# KiCad board constellation.kicad_pcb
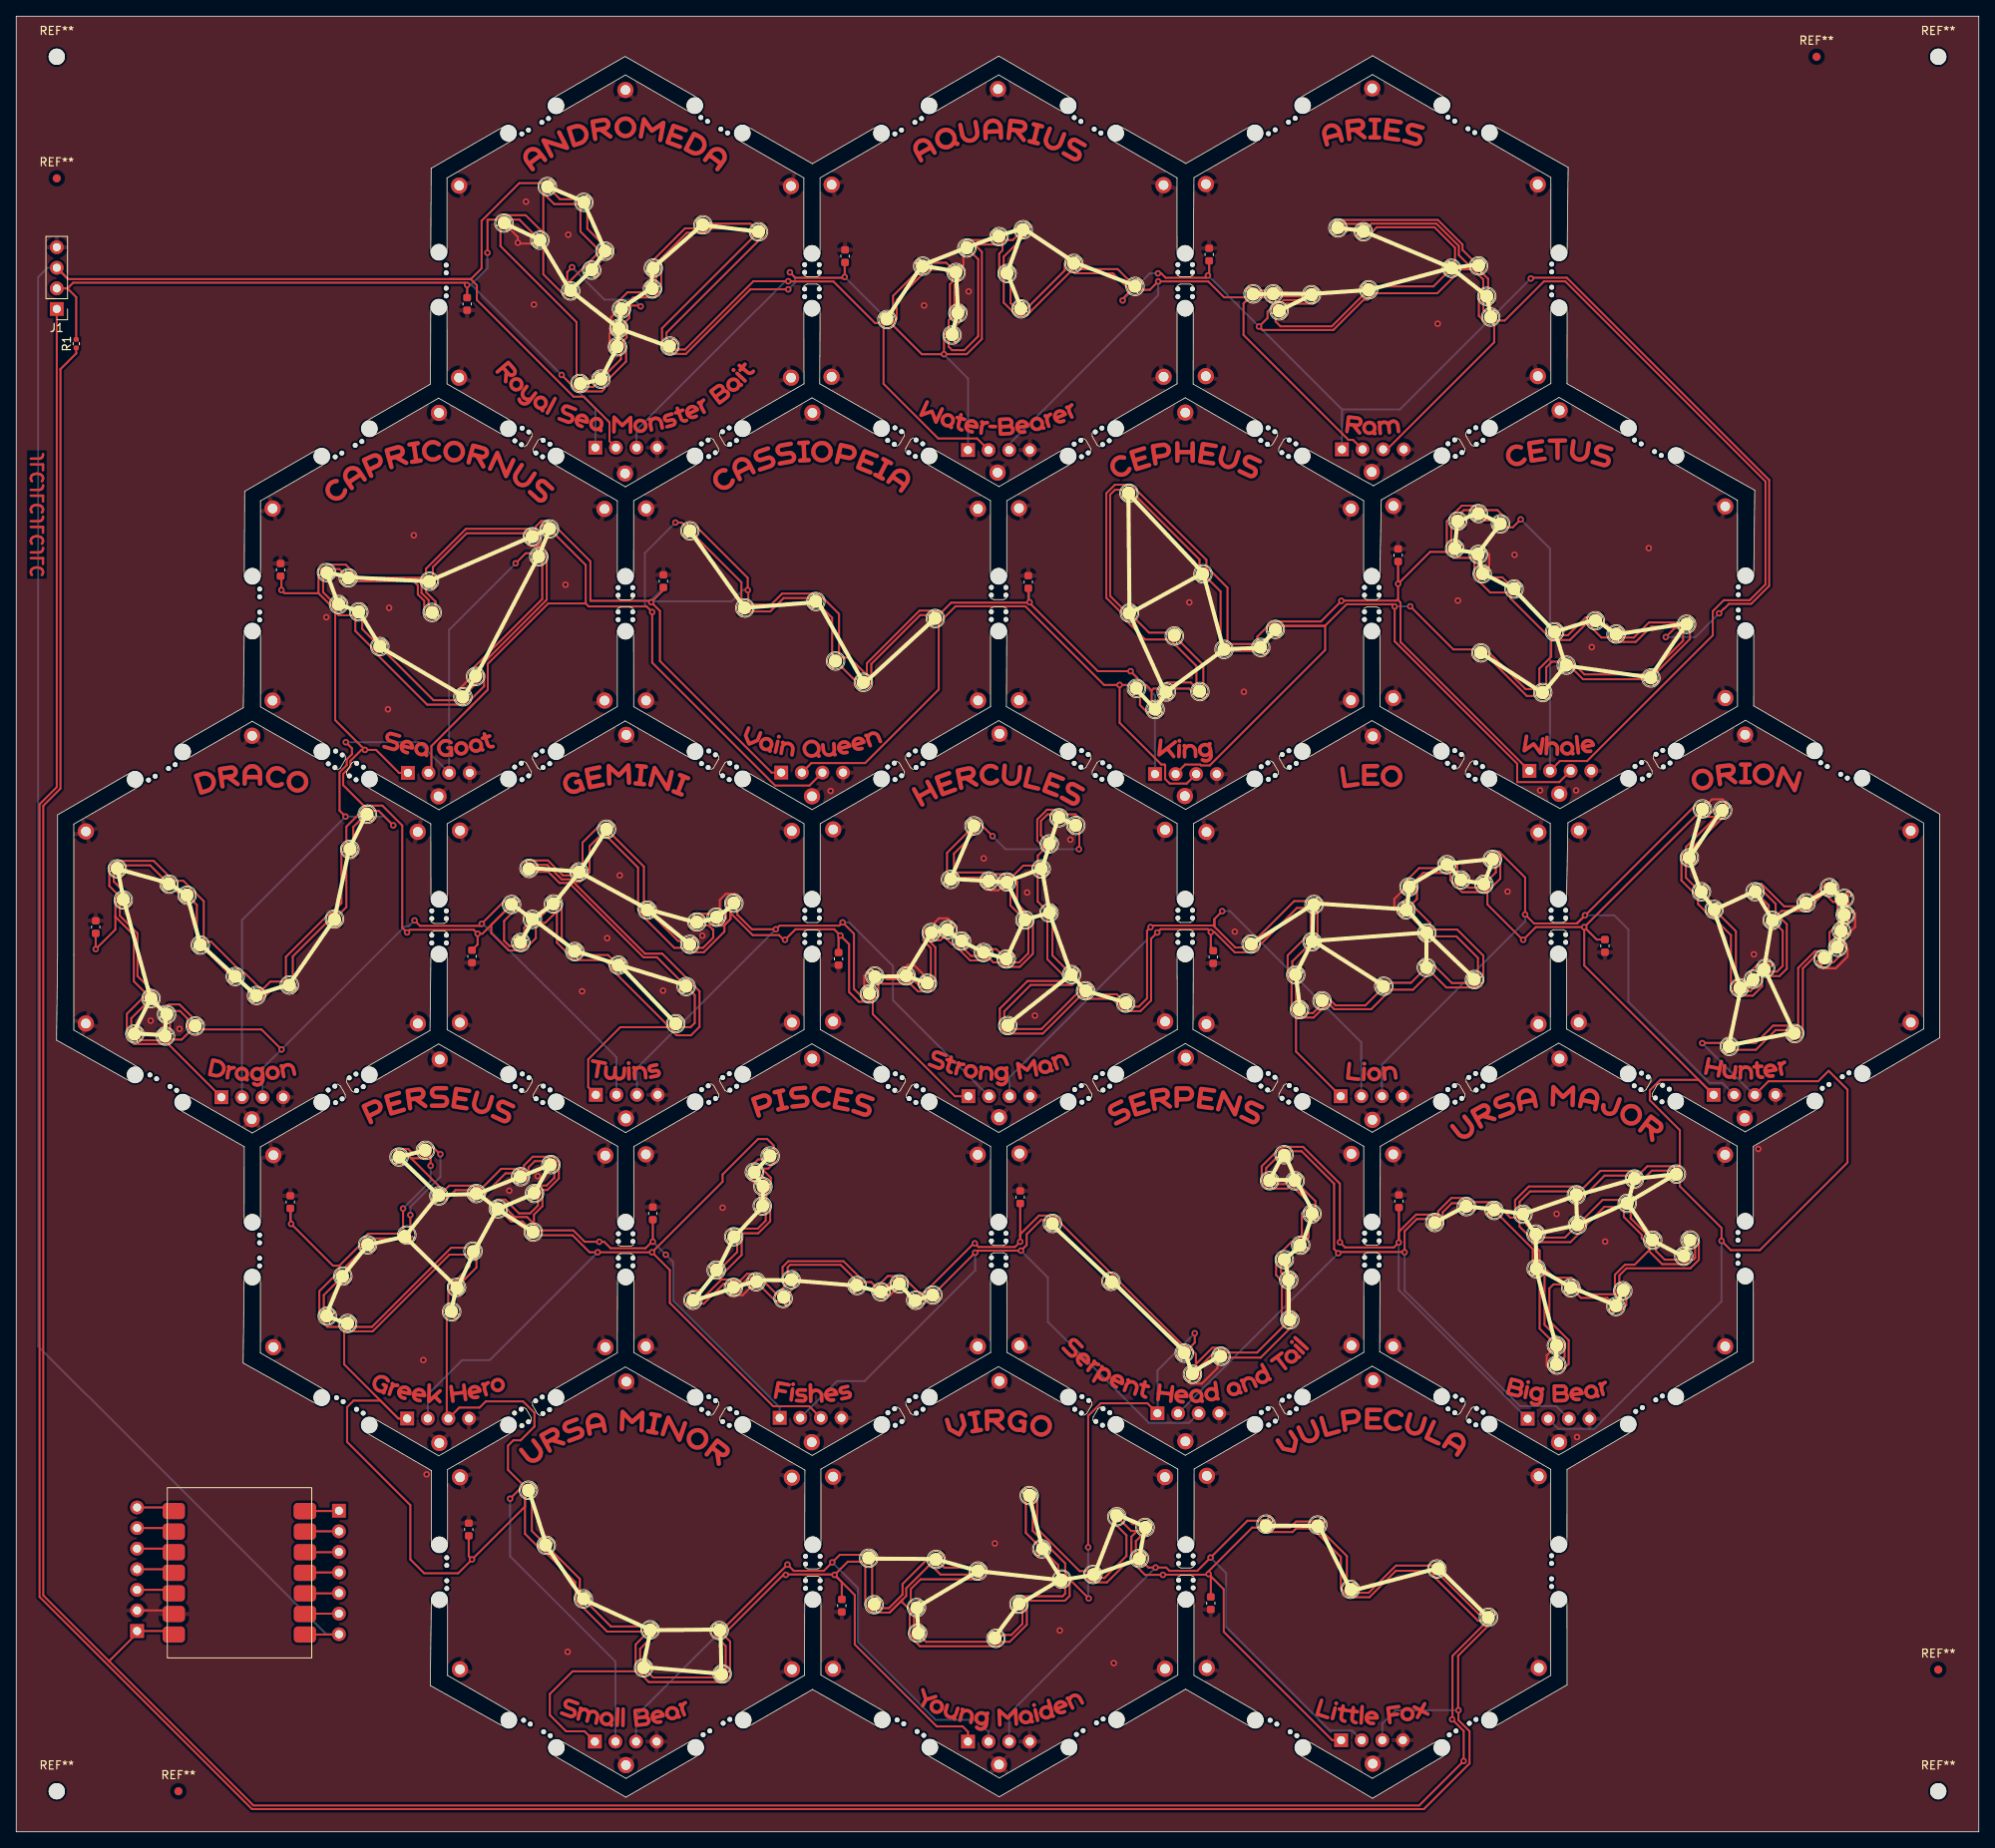
[diagram p0: board, top side]
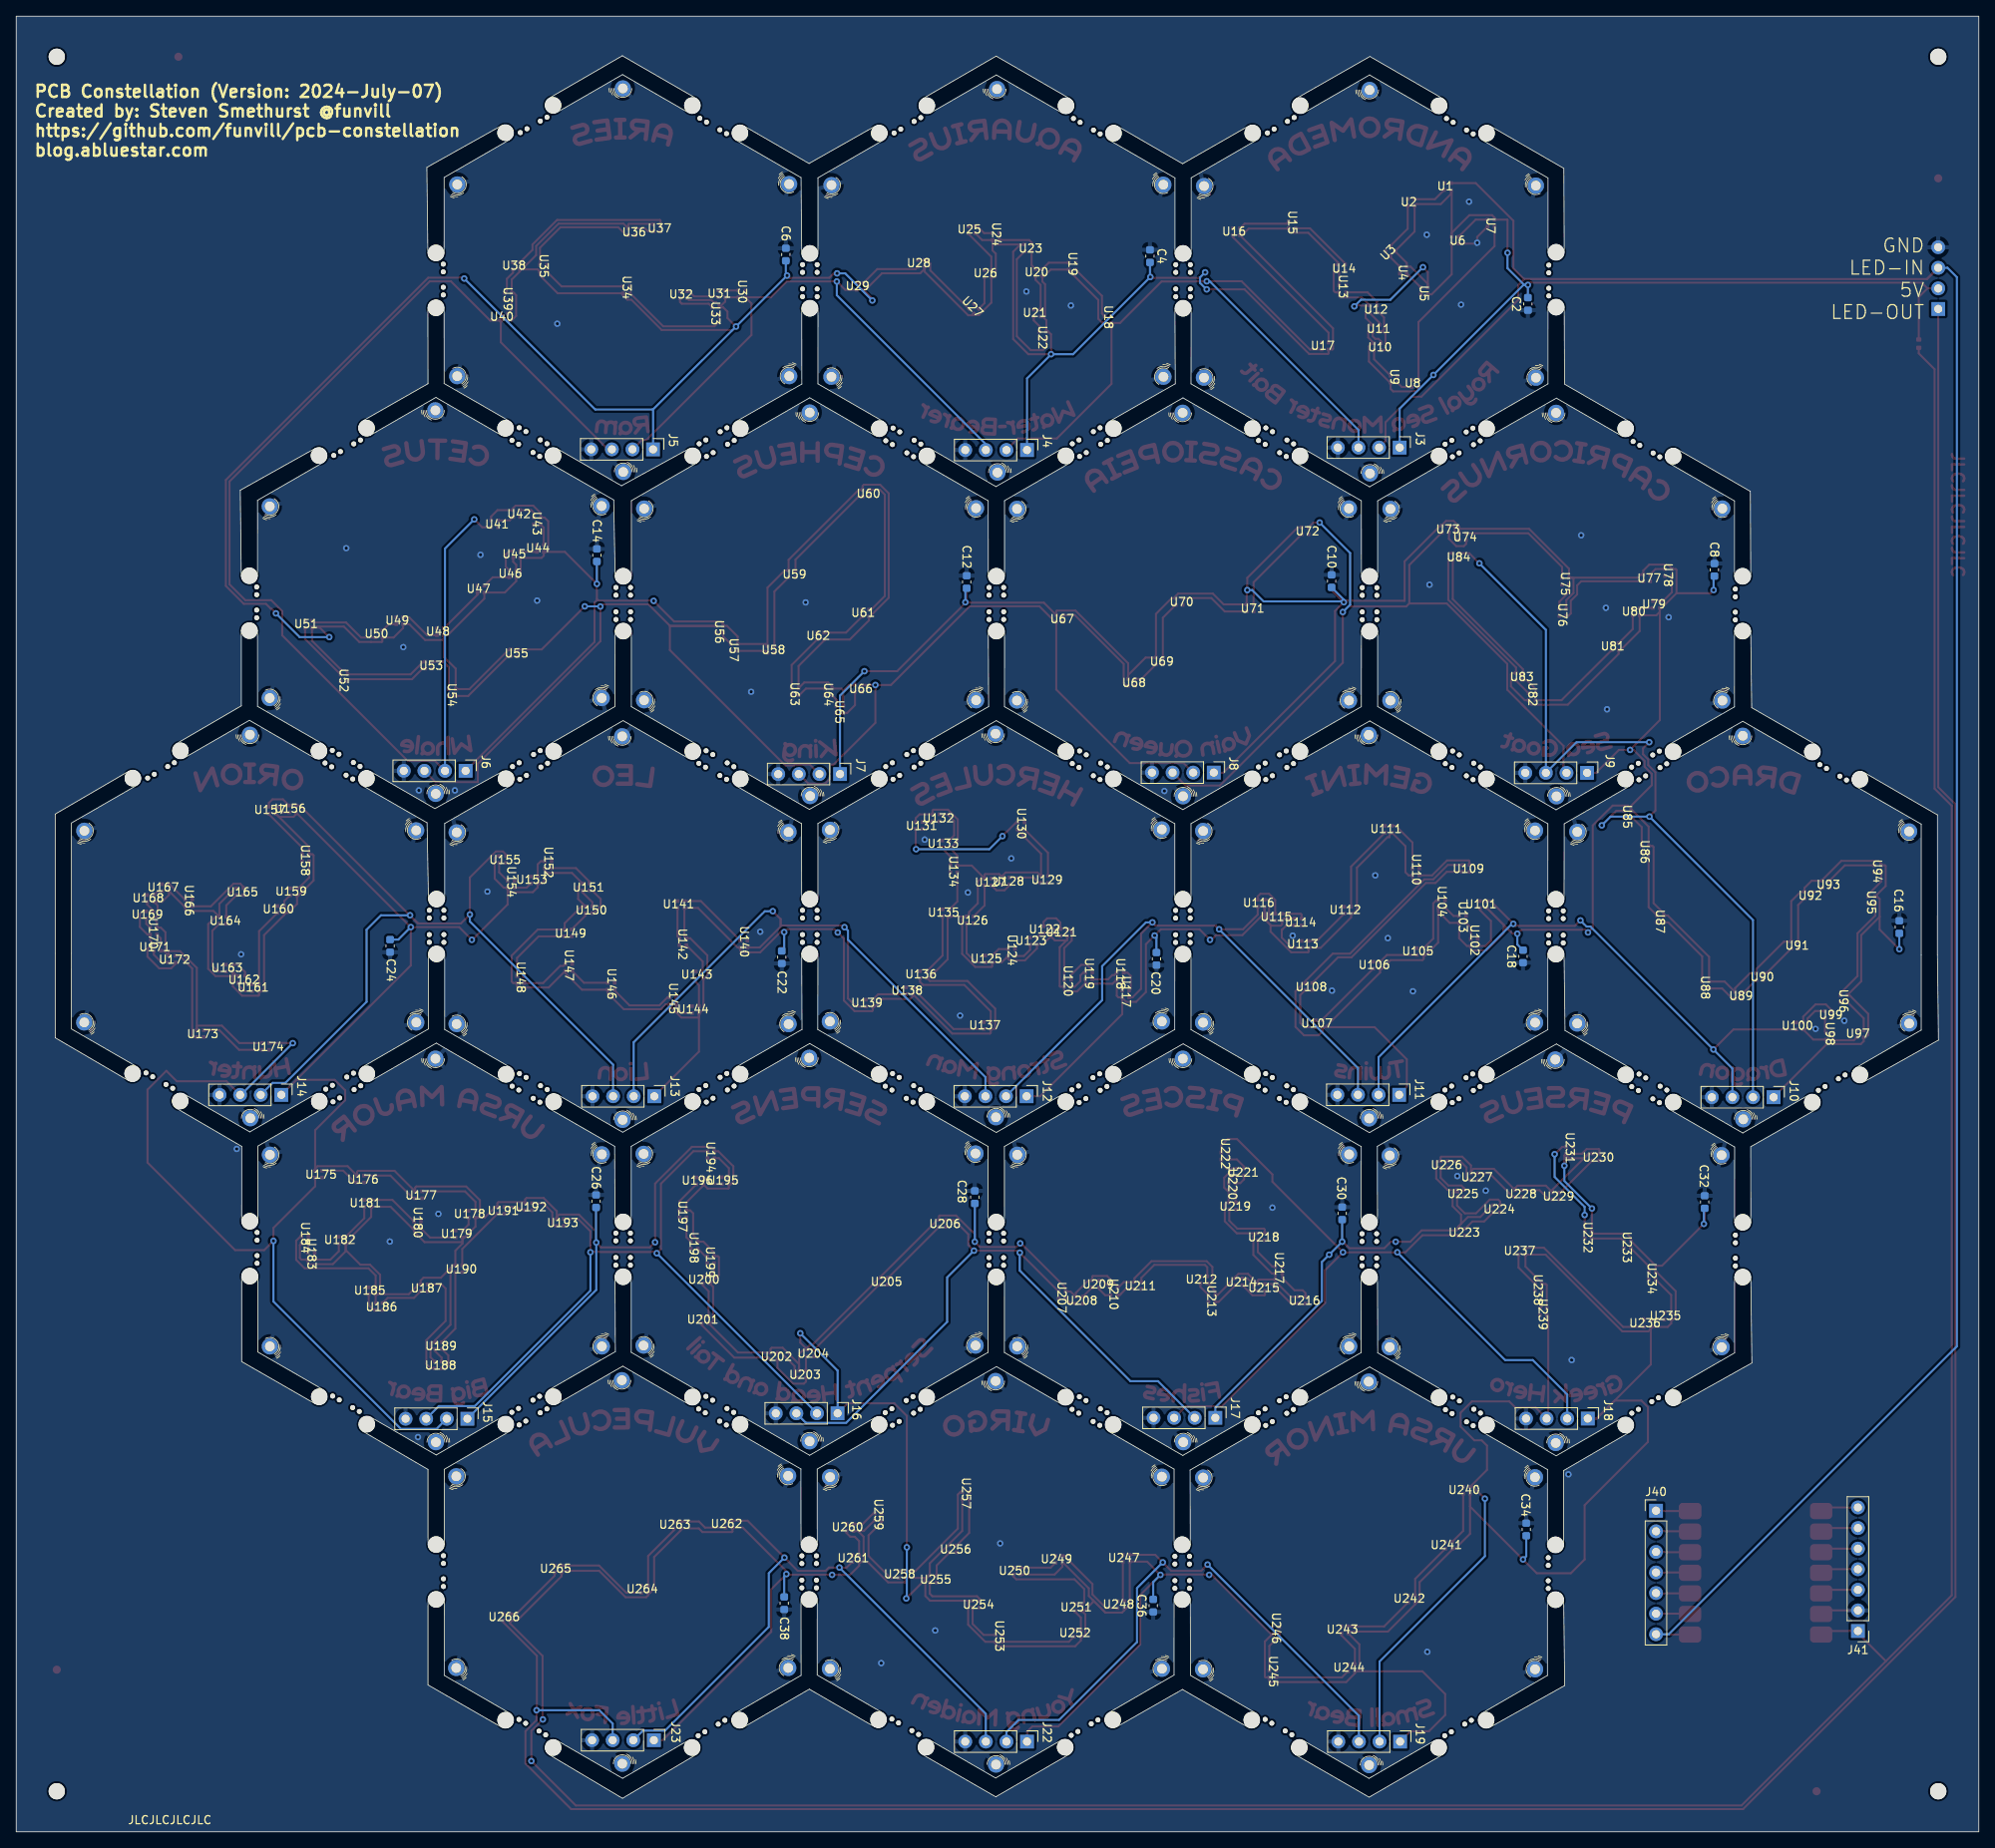
[diagram p1: board, bottom side, seen from below]

Outline 242 x 224 mm; copper layers: Top, Bottom. Coordinates in mm from the lower left corner of the outline.
Outline path: 14.15,92.53 4.97,97.67 5.1,108.2 5.1,125.46 14.15,130.71 ; 7.1,98.92 15.15,94.27 ; 15.15,128.97 7.1,124.32 7.1,108.2 7.1,98.92 ; 20.04,89.13 28.12,84.52 28.11,75.22 ; 21.04,132.37 29.1,137.01 37.18,132.41 ; 21.04,90.87 29.1,86.22 37.16,90.87 ; 37.16,52.7 27.98,57.84 28.11,68.42 ; 20.04,134.11 28,138.69 28.12,148.12 ; 28.12,154.92 28.17,165.38 37.17,170.58 ; 30.11,59.08 38.16,54.44 ; 30.11,75.22 30.11,84.49 38.16,89.14 ; 30.11,59.08 30.11,68.42 ; 30.12,154.92 30.12,164.2 38.17,168.84 ; 30.12,138.79 38.18,134.14 ; 30.13,138.79 30.12,148.12 ; 43.05,49.3 51.21,44.55 51.19,35.42 ; 43.06,173.98 51.08,178.61 51.12,188.09 ; 43.07,129.01 51.12,124.36 51.14,115.07 ; 44.05,51.04 52.11,46.38 60.18,51.05 ; 44.05,92.54 52.08,97.2 60.2,92.58 ; 44.06,172.24 52.08,176.88 60.18,172.26 ; 44.07,130.74 52.12,126.09 60.2,130.75 ; 43.05,94.27 51.02,98.86 51.14,108.27 ; 60.23,12.91 51.06,18.04 51.19,28.62 ; 51.12,194.89 51.17,205.23 60.18,210.43 ; 53.12,178.64 61.18,173.99 ; 61.18,208.69 53.12,204.05 53.12,194.89 ; 53.12,178.64 53.12,188.09 ; 53.14,98.96 61.2,94.31 ; 61.2,129.02 53.14,124.37 53.14,115.07 ; 53.14,98.96 53.14,108.27 ; 53.19,19.29 61.23,14.65 ; 61.18,49.32 53.19,44.7 53.19,35.42 ; 53.19,19.29 53.19,28.62 ; 66.07,213.83 75.07,219.03 84.16,213.85 ; 66.09,89.18 74.16,84.57 74.15,75.23 ; 66.12,9.51 75.17,4.27 84.27,9.52 ; 67.07,170.59 75.12,165.94 83.19,170.6 ; 67.07,212.09 75.12,216.75 83.16,212.11 ; 67.07,52.72 75.11,57.35 83.21,52.75 ; 67.08,132.42 75.09,137.05 83.19,132.43 ; 67.09,90.91 75.14,86.26 83.21,90.92 ; 67.12,11.25 75.19,6.59 83.27,11.26 ; 66.07,54.45 74.12,59.09 74.15,68.43 ; 74.12,154.9 74.12,164.2 66.07,168.85 ; 74.12,148.1 74.12,138.83 66.09,134.15 ; 76.14,138.81 84.19,134.16 ; 76.12,154.9 76.14,164.22 84.19,168.86 ; 76.14,138.81 76.12,148.1 ; 76.15,59.13 84.21,54.48 ; 76.15,75.23 76.15,84.54 84.21,89.19 ; 76.15,59.13 76.15,68.43 ; 89.09,49.35 97.25,44.62 97.23,35.44 ; 90.08,130.76 98.14,126.11 106.19,130.76 ; 90.09,51.08 98.15,46.43 106.22,51.09 ; 90.09,92.59 98.1,97.22 106.2,92.6 ; 90.16,12.92 98.19,17.56 106.28,12.95 ; 97.12,204.05 97.12,194.75 ; 97.12,187.95 97.14,178.65 89.07,174 ; 97.12,204.05 89.05,208.71 ; 97.14,115.07 97.14,124.38 89.08,129.03 ; 97.14,108.27 97.14,98.97 89.09,94.32 ; 89.16,14.66 97.2,19.3 97.23,28.64 ; 90.07,172.26 98.13,176.91 106.19,172.28 ; 90.05,210.45 98.17,205.8 106.18,210.43 ; 107.19,174.01 99.08,178.65 99.12,187.95 ; 99.12,194.75 99.12,204.05 107.18,208.69 ; 99.14,115.07 99.14,124.38 107.19,129.03 ; 99.14,108.27 99.14,98.98 107.2,94.33 ; 99.23,19.34 107.28,14.69 ; 107.22,49.36 99.23,44.74 99.23,35.44 ; 99.23,19.34 99.23,28.64 ; 112.17,9.55 121.21,4.31 130.3,9.56 ; 113.07,212.09 121.14,216.76 129.2,212.1 ; 113.08,132.43 121.15,137.09 129.2,132.44 ; 113.09,90.93 121.15,86.28 129.21,90.94 ; 113.11,52.76 121.12,57.39 129.22,52.77 ; 113.17,11.29 121.23,6.64 129.3,11.3 ; 120.14,164.23 120.14,154.92 ; 120.14,148.12 120.14,138.82 112.08,134.16 ; 120.14,164.22 112.08,168.88 ; 120.15,75.24 120.15,84.55 112.09,89.2 ; 120.15,68.44 120.15,59.14 112.11,54.49 ; 121.16,219.08 112.07,213.83 ; 113.08,170.61 121.19,165.97 129.19,170.6 ; 122.14,148.12 122.1,138.82 130.2,134.18 ; 122.14,154.92 122.15,164.22 130.19,168.86 ; 122.16,59.15 130.22,54.5 ; 122.15,75.24 122.16,84.56 130.21,89.2 ; 122.17,59.15 122.15,68.44 ; 130.2,213.84 121.16,219.08 ; 135.08,174 143.14,178.65 143.14,187.95 ; 136.08,172.26 144.15,176.92 152.2,172.27 ; 136.11,51.1 144.16,46.45 152.23,51.11 ; 136.19,12.96 144.2,17.6 152.28,12.92 ; 143.14,204.06 143.14,194.75 ; 143.14,204.06 135.09,208.7 ; 143.14,124.39 143.15,115.09 ; 143.15,108.29 143.17,98.99 135.1,94.34 ; 143.15,124.39 135.09,129.04 ; 143.23,35.45 143.23,44.75 135.11,49.37 ; 143.23,28.65 143.23,19.34 135.19,14.7 ; 136.1,92.6 144.15,97.25 152.22,92.62 ; 136.09,130.78 144.19,126.14 152.2,130.76 ; 136.09,210.44 144.23,205.83 152.25,210.46 ; 153.22,94.35 145.1,98.99 145.15,108.29 ; 145.14,187.95 145.13,178.62 153.2,174.01 ; 145.15,115.09 145.16,124.39 153.2,129.03 ; 145.23,28.65 145.22,19.3 153.28,14.65 ; 145.14,194.75 145.23,204.09 153.25,208.72 ; 145.23,35.45 145.24,44.76 153.23,49.38 ; 159.09,132.43 167.17,137.1 175.22,132.45 ; 159.12,52.78 167.21,57.45 175.26,52.81 ; 159.14,212.12 167.24,216.8 175.29,212.15 ; 166.15,164.22 166.15,154.92 ; 166.15,148.12 166.15,138.82 158.09,134.16 ; 166.15,164.22 158.09,168.87 ; 166.16,84.57 166.16,75.26 ; 166.16,68.46 166.17,59.16 158.12,54.51 ; 166.17,84.57 158.11,89.22 ; 159.11,90.95 167.21,86.31 175.22,90.93 ; 167.22,6.59 175.28,11.25 ; 167.23,6.6 159.17,11.25 ; 176.28,9.51 167.24,4.13 158.17,9.51 ; 158.14,213.86 167.25,219.12 176.29,213.89 ; 159.09,170.61 167.36,166.07 175.29,170.64 ; 168.15,148.12 168.17,138.83 176.22,134.18 ; 168.16,68.46 168.12,59.24 176.26,54.54 ; 168.16,75.26 168.21,84.58 176.22,89.2 ; 168.15,154.92 168.32,164.32 176.29,168.91 ; 181.17,14.65 189.22,19.3 189.22,28.66 ; 181.18,174.04 189.24,178.69 189.24,188.01 ; 182.11,92.6 190.19,97.31 198.25,92.65 ; 182.17,12.91 191.22,18.12 191.22,28.66 ; 182.18,172.31 190.25,176.97 198.29,172.32 ; 189.16,124.4 189.17,115.09 ; 189.17,108.29 189.17,98.99 181.11,94.33 ; 189.17,124.4 181.11,129.05 ; 181.15,49.41 189.22,44.72 189.22,35.46 ; 189.23,204.1 189.24,194.81 ; 189.24,204.1 181.18,208.75 ; 190.2,46.49 198.26,51.15 ; 190.21,46.49 182.15,51.14 ; 182.11,130.78 190.37,126.24 198.3,130.81 ; 199.25,94.38 191.17,99.06 191.17,108.29 ; 191.22,35.46 191.22,44.7 ; 191.22,44.71 199.26,49.41 ; 191.24,188.01 191.22,178.66 199.29,174.06 ; 191.17,115.09 191.34,124.49 199.3,129.08 ; 191.24,194.81 191.36,205.34 182.18,210.49 ; 204.14,89.25 212.2,84.6 212.2,75.34 ; 204.15,54.55 212.2,59.19 212.2,68.54 ; 205.15,52.81 214.2,58.02 214.2,68.54 ; 205.19,132.48 213.24,137.13 221.24,132.51 ; 212.24,164.27 212.25,154.98 ; 204.19,134.21 212.25,138.86 212.25,148.18 ; 212.25,164.27 204.18,168.92 ; 213.19,86.35 221.27,91.02 ; 213.2,86.35 205.14,90.98 ; 222.27,89.28 214.2,84.57 214.2,75.34 ; 222.24,134.25 214.24,138.91 214.25,148.18 ; 214.25,154.98 214.37,165.51 205.18,170.66 ; 227.13,129.11 235.19,124.46 235.19,108.39 235.19,99.05 227.16,94.42 ; 228.13,130.85 237.19,125.56 237.19,108.39 237.19,97.97 228.16,92.68 ; 0,224 242,224 242,0 0,0 0,224
Stack: Top 0.035mm / dielectric 1.51mm FR4 er 4.5 / Bottom 0.035mm

## Placement (name value [footprint] x y rotation side)
C1  10V 10uF  [C_0603_1608Metric]  55.6 188.5 90 top
C2  10V 10uF  [C_0603_1608Metric]  55.6 188.5 90 bottom  (not fitted)
C3  10V 10uF  [C_0603_1608Metric]  102.2 194.4 270 top
C4  10V 10uF  [C_0603_1608Metric]  102.2 194.4 270 bottom  (not fitted)
C5  10V 10uF  [C_0603_1608Metric]  147.1 194.6 270 top
C6  10V 10uF  [C_0603_1608Metric]  147.1 194.6 270 bottom  (not fitted)
C7  10V 10uF  [C_0603_1608Metric]  32.6 155.7 270 top
C8  10V 10uF  [C_0603_1608Metric]  32.6 155.7 270 bottom  (not fitted)
C9  10V 10uF  [C_0603_1608Metric]  79.8 154.3 270 top
C10  10V 10uF  [C_0603_1608Metric]  79.8 154.3 270 bottom  (not fitted)
C11  10V 10uF  [C_0603_1608Metric]  124.8 154.2 270 top
C12  10V 10uF  [C_0603_1608Metric]  124.8 154.2 270 bottom  (not fitted)
C13  10V 10uF  [C_0603_1608Metric]  170.4 157.5 270 top
C14  10V 10uF  [C_0603_1608Metric]  170.4 157.5 270 bottom  (not fitted)
C15  10V 10uF  [C_0603_1608Metric]  9.8 111.62 270 top
C16  10V 10uF  [C_0603_1608Metric]  9.8 111.62 270 bottom  (not fitted)
C17  10V 10uF  [C_0603_1608Metric]  56.2 108 90 top
C18  10V 10uF  [C_0603_1608Metric]  56.2 108 90 bottom  (not fitted)
C19  10V 10uF  [C_0603_1608Metric]  101.4 107.7 90 top
C20  10V 10uF  [C_0603_1608Metric]  101.4 107.7 90 bottom  (not fitted)
C21  10V 10uF  [C_0603_1608Metric]  147.6 107.92 90 top
C22  10V 10uF  [C_0603_1608Metric]  147.6 107.9 90 bottom  (not fitted)
C23  10V 10uF  [C_0603_1608Metric]  195.9 109.3 90 top
C24  10V 10uF  [C_0603_1608Metric]  195.9 109.3 90 bottom  (not fitted)
C25  10V 10uF  [C_0603_1608Metric]  170.5 77.8 270 top
C26  10V 10uF  [C_0603_1608Metric]  170.5 77.8 270 bottom  (not fitted)
C27  10V 10uF  [C_0603_1608Metric]  123.8 78.3 270 top
C28  10V 10uF  [C_0603_1608Metric]  123.8 78.3 270 bottom  (not fitted)
C29  10V 10uF  [C_0603_1608Metric]  78.5 76.3 270 top
C30  10V 10uF  [C_0603_1608Metric]  78.5 76.3 270 bottom  (not fitted)
C31  10V 10uF  [C_0603_1608Metric]  33.8 77.7 270 top
C32  10V 10uF  [C_0603_1608Metric]  33.8 77.7 270 bottom  (not fitted)
C33  10V 10uF  [C_0603_1608Metric]  55.8 37.3 270 top
C34  10V 10uF  [C_0603_1608Metric]  55.8 37.3 270 bottom  (not fitted)
C35  10V 10uF  [C_0603_1608Metric]  101.8 27.9 90 top
C36  10V 10uF  [C_0603_1608Metric]  101.8 27.9 90 bottom  (not fitted)
C37  10V 10uF  [C_0603_1608Metric]  147.3 28.2 90 top
C38  10V 10uF  [C_0603_1608Metric]  147.3 28.2 90 bottom  (not fitted)
J1  Conn_01x04  [PinHeader_1x04_P2.54mm_Vertical]  5 187.88 180 top  (not fitted)
J2  ~  [constellation-edge-connector_HOLES]  75.12 190.9 0 top
J3  Conn_01x04  [PinHeader_1x04_P2.54mm_Vertical]  71.41 170.78 270 bottom  (not fitted)
J4  Conn_01x04  [PinHeader_1x04_P2.54mm_Vertical]  117.36 170.48 270 bottom  (not fitted)
J5  Conn_01x04  [PinHeader_1x04_P2.54mm_Vertical]  163.47 170.56 270 bottom  (not fitted)
J6  Conn_01x04  [PinHeader_1x04_P2.54mm_Vertical]  186.59 130.9 270 bottom  (not fitted)
J7  Conn_01x04  [PinHeader_1x04_P2.54mm_Vertical]  140.42 130.5 270 bottom  (not fitted)
J8  Conn_01x04  [PinHeader_1x04_P2.54mm_Vertical]  94.33 130.68 270 bottom  (not fitted)
J9  Conn_01x04  [PinHeader_1x04_P2.54mm_Vertical]  48.3 130.65 270 bottom  (not fitted)
J10  Conn_01x04  [PinHeader_1x04_P2.54mm_Vertical]  25.3 90.63 270 bottom  (not fitted)
J11  Conn_01x04  [PinHeader_1x04_P2.54mm_Vertical]  71.47 90.93 270 bottom  (not fitted)
J12  Conn_01x04  [PinHeader_1x04_P2.54mm_Vertical]  117.41 90.75 270 bottom  (not fitted)
J13  Conn_01x04  [PinHeader_1x04_P2.54mm_Vertical]  163.32 90.75 270 bottom  (not fitted)
J14  Conn_01x04  [PinHeader_1x04_P2.54mm_Vertical]  209.31 90.92 270 bottom  (not fitted)
J15  Conn_01x04  [PinHeader_1x04_P2.54mm_Vertical]  186.37 50.96 270 bottom  (not fitted)
J16  Conn_01x04  [PinHeader_1x04_P2.54mm_Vertical]  140.72 51.63 270 bottom  (not fitted)
J17  Conn_01x04  [PinHeader_1x04_P2.54mm_Vertical]  94.14 51.07 270 bottom  (not fitted)
J18  Conn_01x04  [PinHeader_1x04_P2.54mm_Vertical]  48.21 50.99 270 bottom  (not fitted)
J19  Conn_01x04  [PinHeader_1x04_P2.54mm_Vertical]  71.35 11.13 270 bottom  (not fitted)
J20  ~  [constellation-edge-connector_HOLES]  121.06 191.01 0 top
J21  ~  [constellation-edge-connector_HOLES]  167.2 191.09 0 top
J22  Conn_01x04  [PinHeader_1x04_P2.54mm_Vertical]  117.36 11.13 270 bottom  (not fitted)
J23  Conn_01x04  [PinHeader_1x04_P2.54mm_Vertical]  163.37 11.3 270 bottom  (not fitted)
J24  ~  [constellation-edge-connector_HOLES]  190.32 151.38 0 top
J25  ~  [constellation-edge-connector_HOLES]  144.16 151.1 0 top
J26  ~  [constellation-edge-connector_HOLES]  98.18 151.07 0 top
J27  ~  [constellation-edge-connector_HOLES]  52.13 151.06 0 top
J28  ~  [constellation-edge-connector_HOLES]  29.1 111.22 0 top
J29  ~  [constellation-edge-connector_HOLES]  75.23 111.33 0 top
J30  ~  [constellation-edge-connector_HOLES]  121.25 111.47 0 top
J31  ~  [constellation-edge-connector_HOLES]  167.28 111.15 0 top
J32  ~  [constellation-edge-connector_HOLES]  213.19 111.35 0 top
J33  ~  [constellation-edge-connector_HOLES]  190.3 71.38 0 top
J34  ~  [constellation-edge-connector_HOLES]  144.22 71.49 0 top
J35  ~  [constellation-edge-connector_HOLES]  98.15 71.38 0 top
J36  ~  [constellation-edge-connector_HOLES]  52.22 71.28 0 top
J37  ~  [constellation-edge-connector_HOLES]  75.23 31.54 0 top
J38  ~  [constellation-edge-connector_HOLES]  121.23 31.61 0 top
J39  ~  [constellation-edge-connector_HOLES]  167.32 31.72 0 top
J40  Conn_01x07  [PinHeader_1x07_P2.54mm_Vertical]  39.8 39.61 180 bottom  (not fitted)
J41  Conn_01x07  [PinHeader_1x07_P2.54mm_Vertical]  14.9 24.78 0 bottom  (not fitted)
mouse-bite-2mm-slot  VAL**  [mouse-bite-2mm-slot_edge]  40.53 171.36 30 top
mouse-bite-2mm-slot#2  VAL**  [mouse-bite-2mm-slot_edge]  29.11 71.72 90 top
mouse-bite-2mm-slot#3  VAL**  [mouse-bite-2mm-slot_1]  121.15 71.94 270 top
mouse-bite-2mm-slot#4  VAL**  [mouse-bite-2mm-slot_1]  86.72 171.48 210 top
mouse-bite-2mm-slot#5  VAL**  [mouse-bite-2mm-slot_1]  178.75 91.82 210 top
mouse-bite-2mm-slot#6  VAL**  [mouse-bite-2mm-slot_1]  132.74 91.82 210 top
mouse-bite-2mm-slot#7  VAL**  [mouse-bite-2mm-slot_1]  132.75 51.88 150 top
mouse-bite-2mm-slot#8  VAL**  [mouse-bite-2mm-slot_edge]  190.24 191.51 270 top
mouse-bite-2mm-slot#9  VAL**  [mouse-bite-2mm-slot_1]  144.15 111.79 270 top
mouse-bite-2mm-slot#10  VAL**  [mouse-bite-2mm-slot_1]  178.79 51.93 150 top
mouse-bite-2mm-slot#11  VAL**  [mouse-bite-2mm-slot_1]  63.54 51.83 30 top
mouse-bite-2mm-slot#12  VAL**  [mouse-bite-2mm-slot_1]  178.58 131.66 330 top
mouse-bite-2mm-slot#13  VAL**  [mouse-bite-2mm-slot_1]  86.74 51.86 150 top
mouse-bite-2mm-slot#14  VAL**  [mouse-bite-2mm-slot_edge]  155.81 12.03 150 top
mouse-bite-2mm-slot#15  VAL**  [mouse-bite-2mm-slot_1]  190.17 111.79 270 top
mouse-bite-2mm-slot#16  VAL**  [mouse-bite-2mm-slot_1]  121.14 151.62 270 top
mouse-bite-2mm-slot#17  VAL**  [mouse-bite-2mm-slot_edge]  201.65 171.54 330 top
mouse-bite-2mm-slot#18  VAL**  [mouse-bite-2mm-slot_edge]  86.52 211.33 330 top
mouse-bite-2mm-slot#19  VAL**  [mouse-bite-2mm-slot_1]  98.14 111.77 270 top
mouse-bite-2mm-slot#20  VAL**  [mouse-bite-2mm-slot_1]  86.73 131.54 150 top
mouse-bite-2mm-slot#21  VAL**  [mouse-bite-2mm-slot_1]  63.73 91.7 150 top
mouse-bite-2mm-slot#22  VAL**  [mouse-bite-2mm-slot_edge]  224.6 131.73 330 top
mouse-bite-2mm-slot#23  VAL**  [mouse-bite-2mm-slot_1]  155.56 171.49 330 top
mouse-bite-2mm-slot#24  VAL**  [mouse-bite-2mm-slot_1]  178.65 171.42 30 top
mouse-bite-2mm-slot#25  VAL**  [mouse-bite-2mm-slot_edge]  29.12 151.42 90 top
mouse-bite-2mm-slot#26  VAL**  [mouse-bite-2mm-slot_1]  109.55 171.49 330 top
mouse-bite-2mm-slot#27  VAL**  [mouse-bite-2mm-slot_1]  132.55 171.38 30 top
mouse-bite-2mm-slot#28  VAL**  [mouse-bite-2mm-slot_edge]  52.19 31.92 90 top
mouse-bite-2mm-slot#29  VAL**  [mouse-bite-2mm-slot_edge]  190.22 32.16 270 top
mouse-bite-2mm-slot#30  VAL**  [mouse-bite-2mm-slot_edge]  86.8 12.14 210 top
mouse-bite-2mm-slot#31  VAL**  [mouse-bite-2mm-slot_1]  167.16 71.96 270 top
mouse-bite-2mm-slot#32  VAL**  [mouse-bite-2mm-slot_1]  155.73 131.65 210 top
mouse-bite-2mm-slot#33  VAL**  [mouse-bite-2mm-slot_edge]  40.69 51.82 150 top
mouse-bite-2mm-slot#34  VAL**  [mouse-bite-2mm-slot_1]  201.61 91.87 330 top
mouse-bite-2mm-slot#35  VAL**  [mouse-bite-2mm-slot_1]  63.71 171.37 150 top
mouse-bite-2mm-slot#36  VAL**  [mouse-bite-2mm-slot_edge]  201.79 52.03 210 top
mouse-bite-2mm-slot#37  VAL**  [mouse-bite-2mm-slot_1]  40.71 131.52 150 top
mouse-bite-2mm-slot#38  VAL**  [mouse-bite-2mm-slot_1]  40.7 91.76 210 top
mouse-bite-2mm-slot#39  VAL**  [mouse-bite-2mm-slot_1]  109.73 91.71 150 top
mouse-bite-2mm-slot#40  VAL**  [mouse-bite-2mm-slot_edge]  213.2 72.04 270 top
mouse-bite-2mm-slot#41  VAL**  [mouse-bite-2mm-slot_edge]  109.81 12.07 150 top
mouse-bite-2mm-slot#42  VAL**  [mouse-bite-2mm-slot_1]  75.15 71.73 90 top
mouse-bite-2mm-slot#43  VAL**  [mouse-bite-2mm-slot_edge]  155.61 211.24 30 top
mouse-bite-2mm-slot#44  VAL**  [mouse-bite-2mm-slot_1]  167.15 151.62 270 top
mouse-bite-2mm-slot#45  VAL**  [mouse-bite-2mm-slot_edge]  63.54 211.21 30 top
mouse-bite-2mm-slot#46  VAL**  [mouse-bite-2mm-slot_1]  75.12 151.6 270 top
mouse-bite-2mm-slot#47  VAL**  [mouse-bite-2mm-slot_edge]  52.12 191.39 90 top
mouse-bite-2mm-slot#48  VAL**  [mouse-bite-2mm-slot_edge]  17.68 91.65 150 top
mouse-bite-2mm-slot#49  VAL**  [mouse-bite-2mm-slot_1]  144.23 32.15 270 top
mouse-bite-2mm-slot#50  VAL**  [mouse-bite-2mm-slot_edge]  224.8 91.9 210 top
mouse-bite-2mm-slot#51  VAL**  [mouse-bite-2mm-slot_1]  52.14 111.57 90 top
mouse-bite-2mm-slot#52  VAL**  [mouse-bite-2mm-slot_1]  144.14 191.45 270 top
mouse-bite-2mm-slot#53  VAL**  [mouse-bite-2mm-slot_1]  132.56 131.66 330 top
mouse-bite-2mm-slot#54  VAL**  [mouse-bite-2mm-slot_1]  86.74 91.81 210 top
mouse-bite-2mm-slot#55  VAL**  [mouse-bite-2mm-slot_1]  63.55 131.54 30 top
mouse-bite-2mm-slot#56  VAL**  [mouse-bite-2mm-slot_edge]  109.54 211.21 30 top
mouse-bite-2mm-slot#57  VAL**  [mouse-bite-2mm-slot_edge]  178.81 12.13 210 top
mouse-bite-2mm-slot#58  VAL**  [mouse-bite-2mm-slot_1]  155.58 91.83 330 top
mouse-bite-2mm-slot#59  VAL**  [mouse-bite-2mm-slot_1]  98.12 191.45 270 top
mouse-bite-2mm-slot#60  VAL**  [mouse-bite-2mm-slot_1]  201.83 131.69 210 top
mouse-bite-2mm-slot#61  VAL**  [mouse-bite-2mm-slot_edge]  63.76 12.03 150 top
mouse-bite-2mm-slot#62  VAL**  [mouse-bite-2mm-slot_1]  155.76 51.99 210 top
mouse-bite-2mm-slot#63  VAL**  [mouse-bite-2mm-slot_1]  109.58 51.88 30 top
mouse-bite-2mm-slot#64  VAL**  [mouse-bite-2mm-slot_edge]  213.25 151.68 270 top
mouse-bite-2mm-slot#65  VAL**  [mouse-bite-2mm-slot_edge]  178.65 211.37 330 top
mouse-bite-2mm-slot#66  VAL**  [mouse-bite-2mm-slot_1]  109.55 131.55 30 top
mouse-bite-2mm-slot#67  VAL**  [mouse-bite-2mm-slot_edge]  132.56 211.32 330 top
mouse-bite-2mm-slot#68  VAL**  [mouse-bite-2mm-slot_edge]  17.51 131.49 30 top
mouse-bite-2mm-slot#69  VAL**  [mouse-bite-2mm-slot_1]  98.23 31.94 90 top
mouse-bite-2mm-slot#70  VAL**  [mouse-bite-2mm-slot_edge]  132.83 12.18 210 top
NOREF  -  [Graphics]  142.69 220.77 0 top
NOREF#2  -  [Graphics]  73.56 180.96 0 top
NOREF#3  -  [Graphics]  50.56 61.35 0 top
NOREF#4  -  [Graphics]  27.51 181.03 0 top
NOREF#5  -  [Graphics]  165.69 181.2 0 top
NOREF#6  -  [Graphics]  4.52 141.04 0 top
NOREF#7  -  [Graphics]  142.58 141.04 0 top
NOREF#8  -  [Graphics]  188.75 141.24 0 top
NOREF#9  -  [Graphics]  96.59 220.7 0 top
NOREF#10  -  [Graphics]  119.63 101.29 0 top
NOREF#11  -  [Graphics]  7.7 235.88 0 top
NOREF#12  -  [Graphics]  50.53 141.12 0 top
NOREF#13  -  [Graphics]  119.59 180.88 0 top
NOREF#14  -  [Graphics]  96.69 61.45 0 top
NOREF#15  -  [Graphics]  50.53 220.94 0 top
NOREF#16  -  [Graphics]  -0.94 199.17 0 top
NOREF#17  -  [Graphics]  165.53 101.43 0 top
NOREF#18  -  [Graphics]  96.56 141.1 0 top
NOREF#19  -  [Graphics]  73.56 180.96 0 top
NOREF#20  -  [Graphics]  27.58 181.05 0 top
NOREF#21  -  [Graphics]  142.68 61.61 0 top
NOREF#22  -  [Graphics]  142.58 141.04 0 top
NOREF#23  -  [Graphics]  27.52 101.31 0 top
NOREF#24  -  [Graphics]  188.75 141.24 0 top
NOREF#25  -  [Graphics]  50.33 221.09 0 top
NOREF#26  -  [Graphics]  27.58 181.05 0 top
NOREF#27  -  [Graphics]  50.53 220.94 0 top
NOREF#28  -  [Graphics]  50.33 221.09 0 top
NOREF#29  -  [Graphics]  50.56 61.35 0 top
NOREF#30  -  [Graphics]  142.58 141.04 0 top
NOREF#31  -  [Graphics]  50.56 61.35 0 top
NOREF#32  -  [Graphics]  96.59 220.7 0 top
NOREF#33  -  [Graphics]  73.68 101.36 0 top
NOREF#34  -  [Graphics]  96.69 61.45 0 top
NOREF#35  -  [Graphics]  -0.94 199.17 0 top
NOREF#36  -  [Graphics]  50.53 220.94 0 top
NOREF#37  -  [Graphics]  119.63 101.29 0 top
NOREF#38  -  [Graphics]  142.69 220.77 0 top
NOREF#39  -  [Graphics]  188.75 141.24 0 top
NOREF#40  -  [Graphics]  119.59 180.88 0 top
NOREF#41  -  [Graphics]  142.58 141.04 0 top
NOREF#42  -  [Graphics]  73.68 101.36 0 top
NOREF#43  -  [Graphics]  27.51 181.03 0 top
NOREF#44  -  [Graphics]  188.75 141.24 0 top
NOREF#45  -  [Graphics]  165.65 101.36 0 top
NOREF#46  -  [Graphics]  165.53 101.43 0 top
NOREF#47  -  [Graphics]  142.68 61.61 0 top
NOREF#48  -  [Graphics]  142.69 220.77 0 top
NOREF#49  -  [Graphics]  50.56 61.35 0 top
NOREF#50  -  [Graphics]  7.7 235.88 0 top
NOREF#51  -  [Graphics]  4.52 141.04 0 top
NOREF#52  -  [Graphics]  27.52 101.31 0 top
NOREF#53  -  [Graphics]  50.53 141.12 0 top
NOREF#54  -  [Graphics]  165.53 101.43 0 top
NOREF#55  -  [Graphics]  27.51 181.03 0 top
NOREF#56  -  [Graphics]  73.56 180.96 0 top
NOREF#57  -  [Graphics]  96.59 220.7 0 top
NOREF#58  -  [Graphics]  165.69 181.2 0 top
NOREF#59  -  [Graphics]  4.52 141.04 0 top
NOREF#60  -  [Graphics]  96.69 61.45 0 top
NOREF#61  -  [Graphics]  96.59 220.7 0 top
NOREF#62  -  [Graphics]  4.52 141.04 0 top
NOREF#63  -  [Graphics]  119.63 101.29 0 top
NOREF#64  -  [Graphics]  119.62 101.38 0 top
NOREF#65  -  [Graphics]  27.52 101.31 0 top
NOREF#66  -  [Graphics]  50.53 141.12 0 top
NOREF#67  -  [Graphics]  165.69 181.2 0 top
NOREF#68  -  [Graphics]  165.69 181.2 0 top
NOREF#69  -  [Graphics]  50.53 220.94 0 top
NOREF#70  -  [Graphics]  27.51 181.03 0 top
NOREF#71  -  [Graphics]  165.53 101.43 0 top
NOREF#72  -  [Graphics]  50.53 141.12 0 top
NOREF#73  -  [Graphics]  96.56 141.1 0 top
NOREF#74  -  [unnamed]  35.6 39.57 90 top
NOREF#75  -  [Graphics]  142.68 61.61 0 top
NOREF#76  -  [Graphics]  73.56 180.96 0 top
NOREF#77  -  [Graphics]  -0.94 199.17 0 top
NOREF#78  -  [Graphics]  96.56 141.1 0 top
NOREF#79  -  [Graphics]  96.56 141.1 0 top
NOREF#80  -  [Graphics]  27.52 101.31 0 top
NOREF#81  -  [Graphics]  142.69 220.77 0 top
NOREF#82  -  [Graphics]  119.59 101.35 0 top
NOREF#83  -  [Graphics]  73.68 101.36 0 top
NOREF#84  -  [Graphics]  119.63 101.29 0 top
NOREF#85  -  [Graphics]  142.68 61.61 0 top
NOREF#86  -  [Graphics]  -0.94 199.17 0 top
NOREF#87  -  [Graphics]  7.7 235.88 0 top
NOREF#88  -  [Graphics]  73.59 101.29 0 top
NOREF#89  -  [Graphics]  119.59 180.88 0 top
NOREF#90  -  [Graphics]  119.59 180.88 0 top
NOREF#91  -  [Graphics]  96.59 220.7 0 bottom
NOREF#92  -  [Graphics]  7.7 235.88 0 bottom
NOREF#93  -  [Graphics]  142.68 61.61 0 bottom
NOREF#94  -  [Graphics]  4.52 141.04 0 bottom
NOREF#95  -  [Graphics]  188.75 141.24 0 bottom
NOREF#96  -  [Graphics]  165.53 101.43 0 bottom
NOREF#97  -  [Graphics]  142.58 141.04 0 bottom
NOREF#98  -  [Graphics]  50.53 220.94 0 bottom
NOREF#99  -  [Graphics]  119.62 101.38 0 bottom
NOREF#100  -  [Graphics]  119.63 101.29 0 bottom
NOREF#101  -  [Graphics]  142.69 220.77 0 bottom
NOREF#102  -  [Graphics]  50.33 221.09 0 bottom
NOREF#103  -  [Graphics]  27.52 101.31 0 bottom
NOREF#104  -  [Graphics]  96.56 141.1 0 bottom
NOREF#105  -  [Graphics]  27.51 181.03 0 bottom
NOREF#106  -  [Graphics]  50.53 141.12 0 bottom
NOREF#107  -  [Graphics]  119.59 180.88 0 bottom
NOREF#108  -  [Graphics]  165.65 101.36 0 bottom
NOREF#109  -  [Graphics]  165.69 181.2 0 bottom
NOREF#110  -  [Graphics]  50.56 61.35 0 bottom
NOREF#111  -  [Graphics]  73.56 180.96 0 bottom
NOREF#112  -  [Graphics]  119.59 101.35 0 bottom
NOREF#113  -  [Graphics]  -0.94 199.17 0 bottom
NOREF#114  -  [Graphics]  73.59 101.29 0 bottom
NOREF#115  -  [Graphics]  27.58 181.05 0 bottom
R1  R0  [R_0402_1005Metric]  7.4 183.6 90 top
REF**  -  [Fiducial_1mm_Mask2mm]  5 204 0 top
REF**#2  -  [Fiducial_1mm_Mask2mm]  237 20 0 top
REF**#3  -  [MountingHole_2mm]  237 219 0 top
REF**#4  -  [MountingHole_2mm]  237 5 0 top
REF**#5  -  [MountingHole_2mm]  5 5 0 top
REF**#6  -  [Fiducial_1mm_Mask2mm]  222 219 0 top
REF**#7  -  [Fiducial_1mm_Mask2mm]  20 5 0 top
REF**#8  -  [MountingHole_2mm]  5 219 0 top
U1  XL-1010RGBC  [LED-SMD_4P-L1.0-W1.0-TL_XL-1010RGBC-WS2812B]  65.5 202.99 180 top
U2  XL-1010RGBC  [LED-SMD_4P-L1.0-W1.0-TL_XL-1010RGBC-WS2812B]  70 201.03 180 top
U3  XL-1010RGBC  [LED-SMD_4P-L1.0-W1.0-TL_XL-1010RGBC-WS2812B]  72.59 195.01 135 top
U4  XL-1010RGBC  [LED-SMD_4P-L1.0-W1.0-TL_XL-1010RGBC-WS2812B]  70.96 192.67 90 top
U5  XL-1010RGBC  [LED-SMD_4P-L1.0-W1.0-TL_XL-1010RGBC-WS2812B]  68.36 190.1 90 top
U6  XL-1010RGBC  [LED-SMD_4P-L1.0-W1.0-TL_XL-1010RGBC-WS2812B]  64.57 196.37 0 top
U7  XL-1010RGBC  [LED-SMD_4P-L1.0-W1.0-TL_XL-1010RGBC-WS2812B]  60.13 198.47 90 top
U8  XL-1010RGBC  [LED-SMD_4P-L1.0-W1.0-TL_XL-1010RGBC-WS2812B]  69.52 178.69 180 top
U9  XL-1010RGBC  [LED-SMD_4P-L1.0-W1.0-TL_XL-1010RGBC-WS2812B]  72.1 179.22 270 top
U10  XL-1010RGBC  [LED-SMD_4P-L1.0-W1.0-TL_XL-1010RGBC-WS2812B]  74.14 183.22 0 top
U11  XL-1010RGBC  [LED-SMD_4P-L1.0-W1.0-TL_XL-1010RGBC-WS2812B]  74.31 185.49 0 top
U12  XL-1010RGBC  [LED-SMD_4P-L1.0-W1.0-TL_XL-1010RGBC-WS2812B]  74.64 187.88 0 top
U13  XL-1010RGBC  [LED-SMD_4P-L1.0-W1.0-TL_XL-1010RGBC-WS2812B]  78.45 190.36 270 top
U14  XL-1010RGBC  [LED-SMD_4P-L1.0-W1.0-TL_XL-1010RGBC-WS2812B]  78.56 192.93 0 top
U15  XL-1010RGBC  [LED-SMD_4P-L1.0-W1.0-TL_XL-1010RGBC-WS2812B]  84.69 198.25 270 top
U16  XL-1010RGBC  [LED-SMD_4P-L1.0-W1.0-TL_XL-1010RGBC-WS2812B]  91.53 197.4 180 top
U17  XL-1010RGBC  [LED-SMD_4P-L1.0-W1.0-TL_XL-1010RGBC-WS2812B]  80.61 183.31 180 top
U18  XL-1010RGBC  [LED-SMD_4P-L1.0-W1.0-TL_XL-1010RGBC-WS2812B]  107.37 186.57 270 top
U19  XL-1010RGBC  [LED-SMD_4P-L1.0-W1.0-TL_XL-1010RGBC-WS2812B]  111.78 193.16 270 top
U20  XL-1010RGBC  [LED-SMD_4P-L1.0-W1.0-TL_XL-1010RGBC-WS2812B]  115.89 192.38 180 top
U21  XL-1010RGBC  [LED-SMD_4P-L1.0-W1.0-TL_XL-1010RGBC-WS2812B]  116.11 187.37 180 top
U22  XL-1010RGBC  [LED-SMD_4P-L1.0-W1.0-TL_XL-1010RGBC-WS2812B]  115.4 184.66 90 top
U23  XL-1010RGBC  [LED-SMD_4P-L1.0-W1.0-TL_XL-1010RGBC-WS2812B]  117.22 195.41 0 top
U24  XL-1010RGBC  [LED-SMD_4P-L1.0-W1.0-TL_XL-1010RGBC-WS2812B]  121.19 196.81 270 top
U25  XL-1010RGBC  [LED-SMD_4P-L1.0-W1.0-TL_XL-1010RGBC-WS2812B]  124.17 197.66 180 top
U26  XL-1010RGBC  [LED-SMD_4P-L1.0-W1.0-TL_XL-1010RGBC-WS2812B]  122.19 192.25 180 top